# Altium PCB NMR_System_v2.PcbDoc (part 2 of 3)
Units mm, origin at the board's own origin, x right, y up, seen from the top; angles counter-clockwise.
Board outline 100 x 80 mm, 6 copper layers (Top Layer [SIG], Mid Layer 1 [GND], Mid Layer 2 [SIG], Mid Layer 3 [PWR], Mid Layer 4 [GND], Bottom Layer [SIG]), stack 1.597 mm thick; 265 components, 205 nets, 1102 pads, 724 vias.
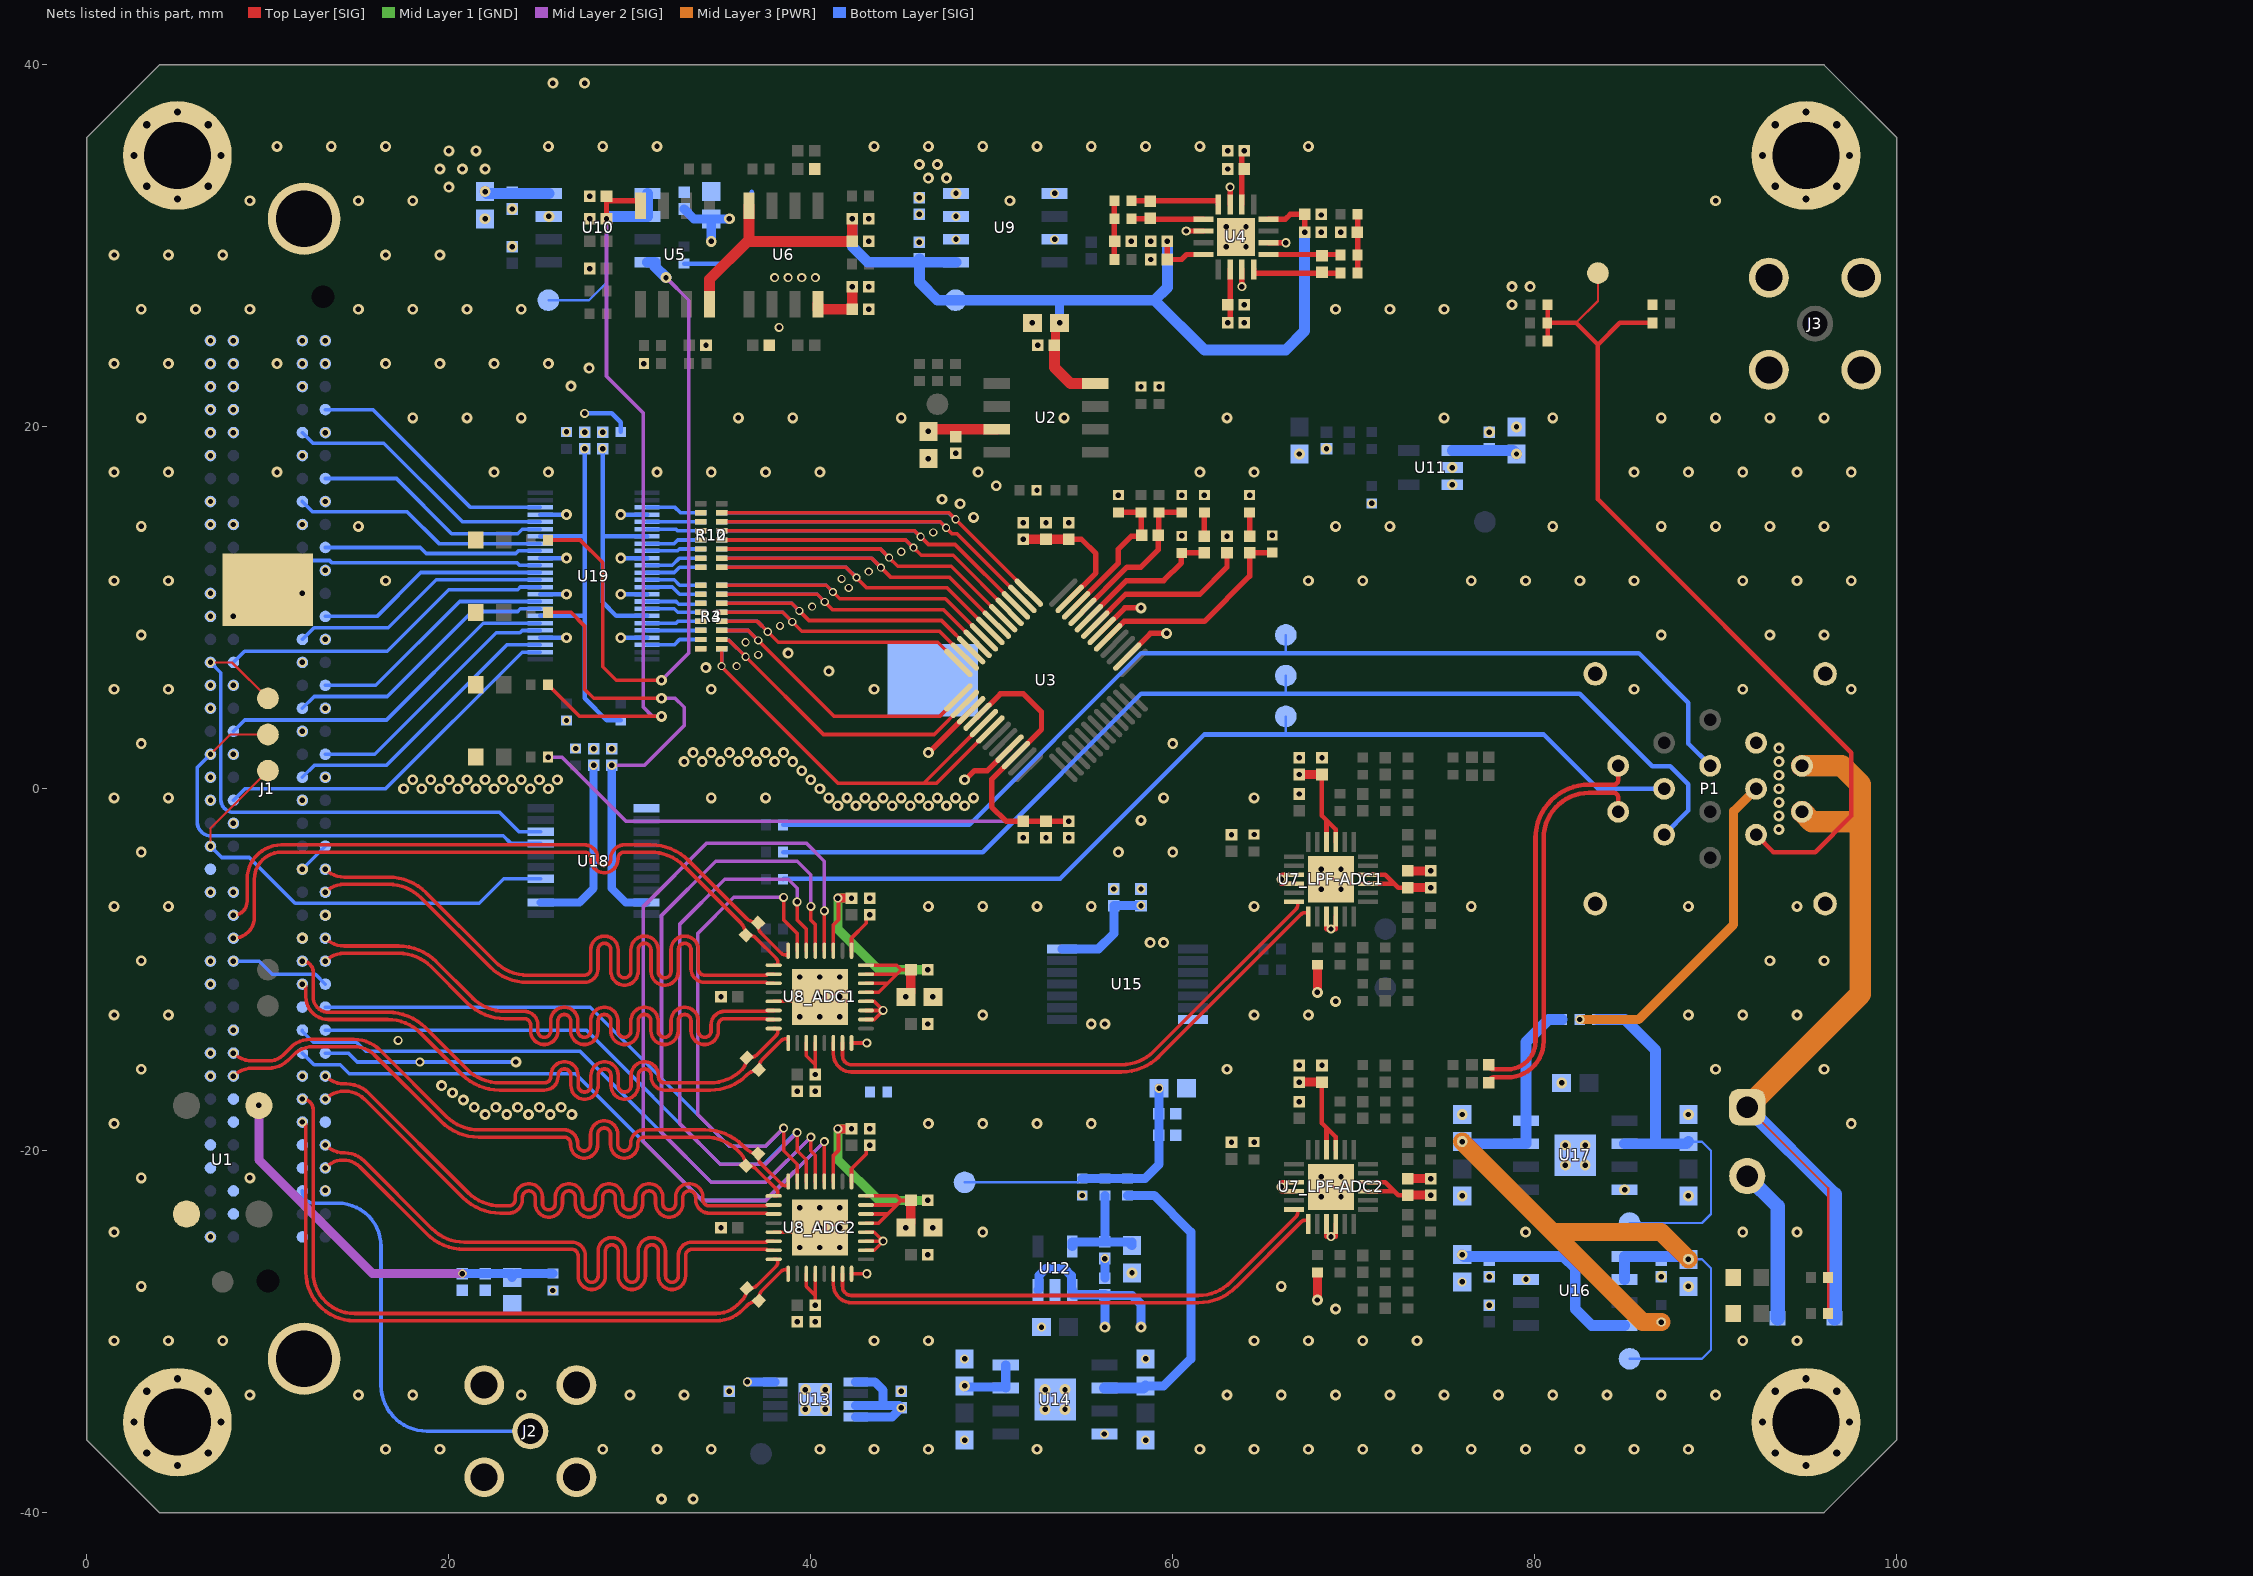
[diagram p6: the nets of this part, all layers, seen from the top]

## Via types
v1: diameter 0.6, hole 0.3, Top Layer [SIG] to Bottom Layer [SIG], tented both sides, 379 vias
v2: diameter 0.5, hole 0.3, Top Layer [SIG] to Bottom Layer [SIG], tented both sides, 244 vias
v3: diameter 0.8, hole 0.4, Top Layer [SIG] to Bottom Layer [SIG], tented both sides, 32 vias
v4: diameter 0.6, hole 0.3, Top Layer [SIG] to Bottom Layer [SIG], tented bottom, 30 vias
v5: diameter 0.45, hole 0.3, Top Layer [SIG] to Bottom Layer [SIG], tented both sides, 27 vias
v6: diameter 0.6, hole 0.3, Top Layer [SIG] to Bottom Layer [SIG], tented top, 12 vias

## Nets (pads, with @x,y where several pads share a name; then routed paths per layer and width w, separated by ;. In a path a pad name is that pad's centre, name@x,y a point inside that pad or via, vN(x,y) a via of type N, cw(c..) or ccw(c..) an arc to the next point about the centre after c; other vN are vias at no path point) (continued)
+3V3: C15.1 C16.1 C17.1 C83.1 C84.1 C85.1 C92.1 C93.1 pad.3@48.5,-21.75 R13.1 R65.1 R66.1 R67.1 R71.2 U3.16 U3.22 U15.14 | length 67.3
  Top Layer [SIG] w0.3: U3.16@49.217,3.985 50.482,5.25 51.75,5.25 52.75,4.25 52.75,3.275 U3.22@51.338,1.863 50,0.525 50,-1 50.79,-1.79 C17.1@51.75,-1.79 C16.1@53,-1.79 v2(54.25,-1.79)
  Mid Layer 2 [SIG] w0.2: v2(25.5,1.75) 26.25,1.75 29.79,-1.79 v2(54.25,-1.79)
  Bottom Layer [SIG] w0.125: pad.3@48.5,-21.75 54.75,-21.75 54.975,-21.525 R65.1@55,-21.525
  Bottom Layer [SIG] w0.5: U15.14@53.875,-8.85 55.9,-8.85 56.75,-8 C93.1@56.75,-6.46 v2(58.25,-6.46) ; R65.1@55,-21.525 R66.1@56.25,-21.525 R67.1@57.5,-21.525 58.475,-21.525 59.25,-20.75 59.25,-19.16 C83.1@59.24,-19.15 C84.1@59.24,-17.95 59.245,-17.945 59.245,-16.555 v2(59.25,-16.55)
  other v2: 52.5,16.5
+3V3_ADM: C91.1 R67.2 U14.2 | length 16.8
  Bottom Layer [SIG] w0.5: R67.2@57.5,-22.475 58.975,-22.475 61,-24.5 61,-31.5 59.5,-33 C91.1@58.5,-33
  Bottom Layer [SIG] w0.6: U14.2@56.225,-33.115 58.385,-33.115 C91.1@58.5,-33
+3V3_FMC: C105.1 C107.1 J1.C39 J1.D32 J1.D36 J1.D38 J1.D40 R1.2 R65.2 R69.2 U18.19 U19.7 U19.18 | length 40.4
  Top Layer [SIG] w0.2: R69.2@25.475,9.75 26.75,9.75 27.5,9 27.5,5.5 28,5 v1(31.75,5)
  Mid Layer 2 [SIG] w0.2: v2(29,1.29) 30.79,1.29 33,3.5 33,4.5 32.5,5 v1(31.75,5)
  Bottom Layer [SIG] w0.25: v2(28.5,18.79) 28.5,13.95 ; U19.18@30.95,9.55 29.25,9.55 28.5,10.3 28.5,13.95 ; U19.7@30.95,13.95 28.5,13.95
  Bottom Layer [SIG] w0.45: v2(29,1.29) 29,-5.5 29.775,-6.275 U18.19@30.925,-6.275
  other v2: 55,-22.475 8.095,14.605 8.095,19.685 8.095,22.225 6.825,23.495 8.095,24.765
  other v5: 25.75,-27.725
+3V3_LDL: C80.1 C81.1 R66.2 U12.5 | length 6.7
  Bottom Layer [SIG] w0.5: U12.5@54.45,-25.3 54.45,-25.04 C80.1@56.25,-25.04 ; R66.2@56.25,-22.475 C80.1@56.25,-25.04 ; C81.1@57.545,-25.045 C81.1@57.75,-25.25 ; C81.1@57.75,-25.04 57.75,-25.24 57.55,-25.04 C80.1@56.25,-25.04
+3V3FE: C103.1 pad.3@85.25,-24 R78.2 U17.2 | length 22.3
  Bottom Layer [SIG] w0.125: pad.3@85.25,-24 89.25,-24 89.75,-23.5 89.75,-20 89.25,-19.5 C103.1@88.5,-19.5
  Bottom Layer [SIG] w0.6: R78.2@83.45,-12.75 85,-12.75 86.68,-14.43 86.68,-19.615 ; U17.2@84.975,-19.615 86.68,-19.615 ; C103.1@88.5,-19.5 88.385,-19.615 86.68,-19.615
+5V: C5.1 C6.1 C12.1 C13.1 C14.1 C22.1 C23.1 C26.1 C27.1 C37.1 C38.1 C39.1 C40.1 C52_LPF-ADC1.1 C52_LPF-ADC2.1 C53_LPF-ADC1.1 C53_LPF-ADC2.1 C54_LPF-ADC1.1 C54_LPF-ADC2.1 C55_LPF-ADC1.1 C55_LPF-ADC2.1 C58_ADC1.1 C58_ADC2.1 C59_ADC1.1 C59_ADC2.1 C61_ADC1.1 C61_ADC2.1 C62_ADC1.1 C62_ADC2.1 C66.1 C71.1 C72.1 C74.1 C75.1 C79.1 C86.1 C87.1 pad.3@25.5,27 R9.1 R44_LPF-ADC1.2 R44_LPF-ADC2.2 R45_LPF-ADC1.2 R45_LPF-ADC2.2 R62.2 R70.2 U2.7 U3.47 U4.6 U4.14 U5.8 U6.8 U7_LPF-ADC1.3 U7_LPF-ADC1.4 U7_LPF-ADC1.9 U7_LPF-ADC1.10 U7_LPF-ADC2.3 U7_LPF-ADC2.4 U7_LPF-ADC2.9 U7_LPF-ADC2.10 U8_ADC1.1 U8_ADC1.19 U8_ADC1.20 U8_ADC1.29 U8_ADC1.30 U8_ADC1.31 U8_ADC1.32 U8_ADC2.1 U8_ADC2.19 U8_ADC2.20 U8_ADC2.29 U8_ADC2.30 U8_ADC2.31 U8_ADC2.32 U9.8 U10.5 U10.6 U11.1 U12.1 U12.3 U13.5 U13.7 U13.8 U14.7 U14.8 | length 160.6
  Top Layer [SIG] w0.2: R70.2@25.475,5.75 25.475,5.725 25.65,5.55 25.675,5.55 27.225,4 v1(31.75,4) ; U8_ADC2.19@39.75,-26.8 39.75,-27.5 40.25,-28 ; U8_ADC1.19@39.75,-14.05 39.75,-14.75 40.25,-15.25 ; v2(40.25,-28.54) 40.25,-28 ; U8_ADC2.20@40.25,-26.8 40.25,-28 ; v2(40.25,-15.79) 40.25,-15.25 ; U8_ADC1.20@40.25,-14.05 40.25,-15.25 ; U8_ADC2.1@42.25,-21.7 42.25,-21 43.063,-20.187 43.063,-19.897 v2(43.25,-19.71) ; U8_ADC1.1@42.25,-8.95 42.25,-8.25 43.063,-7.437 43.063,-7.147 v2(43.25,-6.96) ; U8_ADC2.29@43.05,-24 43.75,-24 44.25,-23.5 ; U8_ADC2.30@43.05,-23.5 44.25,-23.5 ; U8_ADC2.31@43.05,-23 44.75,-23 ; U8_ADC2.32@43.05,-22.5 44.75,-22.5 45,-22.75 ; U8_ADC1.29@43.05,-11.25 43.75,-11.25 44.25,-10.75 ; U8_ADC1.30@43.05,-10.75 44.25,-10.75 ; U8_ADC1.31@43.05,-10.25 44.75,-10.25 ; U8_ADC1.32@43.05,-9.75 44.75,-9.75 45,-10 ; C58_ADC2.1@45.54,-22.75 45,-22.75 ; C58_ADC1.1@45.54,-10 45,-10 ; 44.25,-23.5 44.75,-23 ; 44.25,-10.75 44.75,-10.25 ; 44.75,-23 45,-22.75 ; 44.75,-10.25 45,-10
  Top Layer [SIG] w0.25: C52_LPF-ADC2.1@68.25,-16.21 68.25,-18.481 68.5,-18.731 ; C52_LPF-ADC1.1@68.25,0.79 68.25,-1.481 68.5,-1.731 ; U7_LPF-ADC2.10@68.5,-19.95 68.5,-18.731 ; U7_LPF-ADC1.10@68.5,-2.95 68.5,-1.731 ; U7_LPF-ADC2.9@69,-19.95 69,-19.231 68.5,-18.731 ; U7_LPF-ADC1.9@69,-2.95 69,-2.231 68.5,-1.731 ; U7_LPF-ADC2.3@70.8,-22.25 72.25,-22.25 ; U7_LPF-ADC2.4@70.8,-21.75 71.75,-21.75 72.25,-22.25 ; U7_LPF-ADC1.3@70.8,-5.25 72.25,-5.25 ; U7_LPF-ADC1.4@70.8,-4.75 71.75,-4.75 72.25,-5.25 ; C54_LPF-ADC2.1@73,-22.46 72.46,-22.46 72.25,-22.25 ; C54_LPF-ADC1.1@73,-5.46 72.46,-5.46 72.25,-5.25
  Top Layer [SIG] w0.3: v1(28.71,31.5) C38.1@28.71,32.5 ; C38.1@28.71,32.75 C38.1@28.71,32.5 ; U5.8@30.595,32.225 30.595,32.35 30.445,32.5 C38.1@28.71,32.5 ; C14.1@54.25,13.79 54.96,13.79 55.75,13 55.75,11.932 U3.47@54.308,10.49 ; v2(63.04,25.75) 63.175,25.885 U4.6@63.175,28.7 ; U4.14@63.825,32.3 63.825,35.115 v2(63.96,35.25)
  Top Layer [SIG] w0.5: v2(45.25,-24.25) 45.275,-24.25 45.525,-24 45.525,-22.765 C58_ADC2.1@45.54,-22.75 ; v2(45.25,-11.5) 45.275,-11.5 45.525,-11.25 45.525,-10.015 C58_ADC1.1@45.54,-10 ; v2(51.75,13.79) C13.1@53,13.79 C14.1@54.25,13.79 ; v2(67,-16.21) C52_LPF-ADC2.1@68.25,-16.21 ; v2(67,0.79) C52_LPF-ADC1.1@68.25,0.79 ; v1(68,-28.25) R45_LPF-ADC2.2@68,-26.725 ; v1(68,-11.25) R45_LPF-ADC1.2@68,-9.725 ; C54_LPF-ADC2.1@73,-22.46 v2(74.25,-22.46) ; C54_LPF-ADC1.1@73,-5.46 v2(74.25,-5.46)
  Top Layer [SIG] w0.6: U6.8@40.405,26.775 40.405,26.5 C40.1@42.29,26.5 v1(42.29,27.75) ; v2(46.5,19.75) 46.615,19.865 U2.7@50.275,19.865
  Mid Layer 2 [SIG] w0.2: v1(28.71,31.5) 28.71,22.79 30.75,20.75 30.75,4.5 31.25,4 v1(31.75,4)
  Bottom Layer [SIG] w0.125: pad.3@25.5,27 27.75,27 28.71,27.96 v1(28.71,31.5)
  Bottom Layer [SIG] w0.25: R62.2@33,29.025 35.275,29.025 36.75,30.5 36.75,32.905 36.75,33
  Bottom Layer [SIG] w0.5: U13.8@42.475,-34.725 44.485,-34.725 v2(45,-34.21) 44.865,-34.075 44,-34.075 ; U13.7@42.475,-34.075 44,-34.075 ; U13.5@42.475,-32.775 43.525,-32.775 44,-33.25 44,-34.075 ; v1(48.5,-33) 48.565,-33.065 50.725,-33.065 U14.7@50.775,-33.115 U14.8@50.775,-31.845 ; U12.3@52.55,-27.7 52.6,-27.65 52.6,-26.9 53,-26.5 54,-26.5 54.4,-26.9 54.4,-27.65 U12.1@54.45,-27.7 54.45,-27.91 54.5,-27.96 C79.1@56.25,-27.96 ; v1(56.25,-29.75) C79.1@56.25,-27.96 ; v1(58.25,-29.75) 58.25,-28.5 57.75,-28 56.29,-28 C79.1@56.25,-27.96
  Bottom Layer [SIG] w0.6: v1(28.71,31.5) 28.845,31.635 U10.6@30.975,31.635 U10.5@30.975,32.905 ; U11.1@75.45,18.7 78.8,18.7 v1(79,18.5)
  other v1: 46,32.67 48.025,32.905 46.5,33.75 47.5,33.75 46,34.5 47,34.5
  other v2: 64.5,-19.525 64.5,-2.525 59.25,22.225
+5VFE: C96.1 C97.1 C99.1 pad.3@85.25,-31.5 R76.2 R77.2 U16.5 U16.6 U17.7 U17.8 | length 50.5
  Mid Layer 3 [PWR] w1: v1(76,-19.5) 80.988,-24.488 ; v2(87,-29.475) 85.975,-29.475 80.988,-24.488 ; v1(88.5,-26) 86.988,-24.488 80.988,-24.488
  Bottom Layer [SIG] w0.125: pad.3@85.25,-31.5 89.25,-31.5 89.75,-31 89.75,-26.5 89.25,-26 v1(88.5,-26)
  Bottom Layer [SIG] w0.6: v1(76,-19.5) 76.115,-19.615 U17.7@79.525,-19.615 U17.8@79.525,-18.345 79.525,-14 80.775,-12.75 R77.2@81.525,-12.75 ; U16.6@84.975,-27.115 U16.5@84.975,-25.845 88.345,-25.845 v1(88.5,-26)
+5VFE/+3V3FE: P1.13 R77.1 R78.1 | length 18.7
  Mid Layer 3 [PWR] w0.5: v2(82.5,-12.75) 85.75,-12.75 91,-7.5 91,-1.24 P1.13@92.24,0
  Bottom Layer [SIG] w0.102: R77.1@82.475,-12.75 v2(82.5,-12.75)
+12V_FMC: C69.1 C70.1 C94.1 C95.1 J1.C35 J1.C37 R68.2 U10.4 U10.8 U16.4 U16.8 | length 53.2
  Top Layer [SIG] w0.2: R68.2@25.475,13.75 27.25,13.75 28.5,12.5 28.5,6.75 29.25,6 v1(31.75,6)
  Mid Layer 2 [SIG] w0.2: v1(31.75,6) 33.25,7.5 33.25,27 v1(32,28.25)
  Bottom Layer [SIG] w0.6: v1(22,33) 22.095,32.905 U10.4@25.525,32.905 ; U10.8@30.975,29.095 31.4,29.095 31.4,28.85 v1(32,28.25) ; v1(76,-25.75) 76.095,-25.845 U16.4@79.525,-25.845 81.595,-25.845 82.25,-26.5 82.25,-28.75 83.155,-29.655 U16.8@84.975,-29.655
  other v1: 20,33.25 19.5,34.25 20.75,34.25 22,34.25 20,35.25 21.5,35.25
  other v2: 6.825,18.415 6.825,20.955
+50V: D1.2 J4.2 P1.5 P1.6 R72.2 R73.2 | length 54.4
  Top Layer [SIG] w0.125: J4.2@91.75,-17.595 96.225,-22.07 R73.2@96.225,-27 R72.2@96.225,-29
  Mid Layer 3 [PWR] w1.2: J4.2@91.75,-17.595 98,-11.345 98,-1.819 ; P1.5@94.78,-1.27 95.329,-1.819 98,-1.819 ; P1.6@94.78,1.27 96.98,1.27 98,0.25 98,-1.819
  Bottom Layer [SIG] w0.8: J4.2@91.75,-17.595 96.575,-22.42 D1.2@96.575,-29.25
-5V: C7.1 C8.1 C24.1 C25.1 C28.1 C29.1 C41.1 C42.1 C68.1 pad.3@48,27 U2.4 U4.4 U4.12 U5.4 U6.4 U9.5 | length 67.3
  Top Layer [SIG] w0.3: v2(59.71,30.25) C25.1@59.71,29.25 60.5,29.25 60.775,29.525 U4.4@61.7,29.525 ; U4.12@65.3,31.475 66.225,31.475 66.5,31.75 C29.1@67.29,31.75 v2(67.29,30.75)
  Top Layer [SIG] w0.5: C7.1@53.46,24.5 53.53,24.57 53.53,25.53 v2(53.75,25.75)
  Top Layer [SIG] w0.6: U5.4@34.405,26.775 34.405,28.155 36.5,30.25 ; U6.4@36.595,32.225 36.595,30.345 36.5,30.25 ; v1(42.29,31.5) C42.1@42.29,30.25 36.5,30.25 ; C7.1@53.46,24.5 53.46,23.29 54.345,22.405 U2.4@55.725,22.405
  Bottom Layer [SIG] w0.5: v2(53.75,25.75) 53.75,27
  Bottom Layer [SIG] w0.6: v1(42.29,31.5) 42.29,29.96 43.155,29.095 C68.1@46,29.095 ; C68.1@46,29.29 C68.1@46,29.095 ; U9.5@48.025,29.095 C68.1@46,29.095 ; v2(59.71,30.25) 59.71,27.71 59,27 ; v2(67.29,30.75) 67.29,25.29 66.25,24.25 61.75,24.25 59,27 ; C68.1@46,29.095 46,28 47,27 pad.3@48,27 53.75,27 59,27
ADC1_CLK_N: J1.G13 R59_ADC1.2 U8_ADC1.16 | length 37.7
  Top Layer [SIG] w0.2: v2(11.905,-9.525) cw(c11.905,-10.12) 12.5,-10.12 12.5,-11.5 ccw(c13.35,-11.5) 13.35,-12.35 16.632,-12.35 cw(c16.632,-15.29) 18.711,-13.211 21.006,-15.506 ccw(c22.802,-13.71) 22.802,-16.25 24.981,-16.25 25.281,-16.25 ccw(c25.281,-15.896) 25.635,-15.896 25.635,-15.839 cw(c26.389,-15.839) 27.143,-15.839 27.143,-16.404 ccw(c27.497,-16.404) 27.851,-16.404 27.851,-15.839 cw(c28.605,-15.839) 29.359,-15.839 29.359,-16.404 ccw(c29.713,-16.404) 30.067,-16.404 30.067,-15.839 cw(c30.821,-15.839) 31.575,-15.839 31.575,-15.896 ccw(c31.929,-15.896) 31.929,-16.25 33,-16.25 34.446,-16.25 ccw(c34.446,-13.785) 36.189,-15.528 ccw(c35.568,-14.907) 36.446,-14.907 cw(c36.507,-14.907) R59_ADC1.2@36.464,-14.864 cw(c36.507,-14.907) 36.507,-14.846 36.676,-14.846 ccw(c36.676,-14.377) 37.008,-14.709 38.084,-13.633 ccw(c37.843,-13.391) 38.184,-13.391 ccw(c38.043,-13.391) 38.043,-13.25 U8_ADC1.16@37.95,-13.25
ADC1_CLK_P: J1.G12 R59_ADC1.1 U8_ADC1.17 | length 37.1
  Top Layer [SIG] w0.2: v2(11.905,-10.795) cw(c11.905,-10.99) 12.1,-10.99 12.1,-11.5 ccw(c13.35,-11.5) 13.35,-12.75 16.632,-12.75 cw(c16.632,-15.29) 18.428,-13.494 20.723,-15.789 ccw(c22.802,-13.71) 22.802,-16.65 24.981,-16.65 25.281,-16.65 ccw(c25.281,-15.896) 26.035,-15.896 26.035,-15.839 cw(c26.389,-15.839) 26.743,-15.839 26.743,-16.404 ccw(c27.497,-16.404) 28.251,-16.404 28.251,-15.839 cw(c28.605,-15.839) 28.959,-15.839 28.959,-16.404 ccw(c29.713,-16.404) 30.467,-16.404 30.467,-15.839 cw(c30.821,-15.839) 31.175,-15.839 31.175,-15.896 ccw(c31.929,-15.896) 31.929,-16.65 33,-16.65 34.446,-16.65 ccw(c34.446,-13.785) 36.472,-15.811 cw(c37.093,-16.432) 37.093,-15.554 ccw(c37.093,-15.493) R59_ADC1.1@37.136,-15.536 ccw(c37.093,-15.493) 37.154,-15.493 37.154,-15.324 cw(c37.623,-15.324) 37.291,-14.992 38.367,-13.916 cw(c38.609,-14.157) 38.609,-13.816 cw(c38.609,-13.957) 38.75,-13.957 U8_ADC1.17@38.75,-14.05
ADC2_CLK_N: J1.G7 R59_ADC2.2 U8_ADC2.16 | length 38.6
  Top Layer [SIG] w0.2: v2(11.905,-17.145) cw(c11.905,-17.74) 12.5,-17.74 12.5,-26.71 ccw(c14.79,-26.71) 14.79,-29 34.772,-29 ccw(c34.772,-27.321) 35.959,-28.508 36.189,-28.278 ccw(c35.568,-27.657) 36.446,-27.657 cw(c36.507,-27.657) R59_ADC2.2@36.464,-27.614 cw(c36.507,-27.657) 36.507,-27.596 36.676,-27.596 ccw(c36.676,-27.127) 37.008,-27.459 38.084,-26.383 ccw(c37.843,-26.141) 38.184,-26.141 ccw(c38.043,-26.141) 38.043,-26 U8_ADC2.16@37.95,-26
ADC2_CLK_P: J1.G6 R59_ADC2.1 U8_ADC2.17 | length 38
  Top Layer [SIG] w0.2: v2(11.905,-18.415) cw(c11.905,-18.61) 12.1,-18.61 12.1,-26.71 ccw(c14.79,-26.71) 14.79,-29.4 34.772,-29.4 ccw(c34.772,-27.321) 36.242,-28.791 36.472,-28.561 cw(c37.093,-29.182) 37.093,-28.304 ccw(c37.093,-28.243) R59_ADC2.1@37.136,-28.286 ccw(c37.093,-28.243) 37.154,-28.243 37.154,-28.074 cw(c37.623,-28.074) 37.291,-27.742 38.367,-26.666 cw(c38.609,-26.907) 38.609,-26.566 cw(c38.609,-26.707) 38.75,-26.707 U8_ADC2.17@38.75,-26.8
ADC_IN_ADC1_N: U7_LPF-ADC1.19 U8_ADC1.22 | length 31.1
  Top Layer [SIG] w0.2: U8_ADC1.22@41.25,-14.05 41.25,-14.65 ccw(c42.25,-14.65) 42.25,-15.65 57.165,-15.65 ccw(c57.165,-12.71) 59.244,-14.789 67.092,-6.941 cw(c67.334,-7.182) 67.334,-6.841 67.457,-6.841 cw(c67.457,-6.883) 67.487,-6.853 cw(c67.457,-6.883) 67.5,-6.883 U7_LPF-ADC1.19@67.5,-7.05
ADC_IN_ADC1_P: U7_LPF-ADC1.18 U8_ADC1.23 | length 30.1
  Top Layer [SIG] w0.2: U8_ADC1.23@41.75,-14.05 41.75,-14.75 ccw(c42.25,-14.75) 42.25,-15.25 57.165,-15.25 ccw(c57.165,-12.71) 58.961,-14.506 66.809,-6.658 ; U7_LPF-ADC1.18@66.7,-6.25 66.867,-6.25 cw(c66.867,-6.293) 66.897,-6.263 cw(c66.867,-6.293) 66.909,-6.293 66.909,-6.416 cw(c66.568,-6.416) 66.809,-6.658
ADC_IN_ADC2_N: U7_LPF-ADC2.19 U8_ADC2.22 | length 29.4
  Top Layer [SIG] w0.2: U8_ADC2.22@41.25,-26.8 41.25,-27.4 ccw(c42.25,-27.4) 42.25,-28.4 61.415,-28.4 ccw(c61.415,-25.46) 63.494,-27.539 67.092,-23.941 cw(c67.334,-24.182) 67.334,-23.841 67.457,-23.841 cw(c67.457,-23.883) 67.488,-23.853 cw(c67.457,-23.883) 67.5,-23.883 U7_LPF-ADC2.19@67.5,-24.05
ADC_IN_ADC2_P: U7_LPF-ADC2.18 U8_ADC2.23 | length 28.4
  Top Layer [SIG] w0.2: U8_ADC2.23@41.75,-26.8 41.75,-27.5 ccw(c42.25,-27.5) 42.25,-28 61.415,-28 ccw(c61.415,-25.46) 63.211,-27.256 66.809,-23.658 ccw(c66.568,-23.416) 66.909,-23.416 66.909,-23.293 ccw(c66.867,-23.293) 66.897,-23.262 ccw(c66.867,-23.293) 66.867,-23.25 U7_LPF-ADC2.18@66.7,-23.25
AGND: C5.2 C6.2 C7.2 C8.2 C11.2 C12.2 C13.2 C14.2 C20.2 C21.2 C22.2 C23.2 C24.2 C25.2 C26.2 C27.2 C28.2 C29.2 C33.2 C34.2 C35.2 C36.2 C37.2 C38.2 C39.2 C40.2 C41.2 C42.2 C52_LPF-ADC1.2 C52_LPF-ADC2.2 C53_LPF-ADC1.2 C53_LPF-ADC2.2 C54_LPF-ADC1.2 C54_LPF-ADC2.2 C55_LPF-ADC1.2 C55_LPF-ADC2.2 C56_LPF-ADC1.2 C56_LPF-ADC2.2 C57_LPF-ADC1.2 C57_LPF-ADC2.2 C58_ADC1.2 C58_ADC2.2 C59_ADC1.2 C59_ADC2.2 C63_ADC1.2 C63_ADC2.2 C65_ADC1.2 C65_ADC2.2 C66.2 C68.2 C71.2 C72.2 C74.2 C75.2 C77.2 C78.2 C79.2 C80.2 C81.2 C82.2 C83.2 C84.2 C85.2 C86.2 C87.2 C88.2 C89.2 C90.2 C91.2 C94.2 C95.2 C96.2 C97.2 C98.2 C99.2 C100.2 C101.2 C102.2 C103.2 D1.1 J3.2 J4.1 LED5.1 LED6.2 P1.7 P1.15 P1.16 P1.17 P1.18 pad.0@95,35 pad.0@95,-35 R7.1 R8.1 R11.1 R14.1 R15.1 R16.1 R17.1 R38.1 R41.1 R61.2 R64.1 U3.38 U3.42 U4.2 U4.7 U4.10 U4.15 U4.17 U7_LPF-ADC1.15 U7_LPF-ADC1.16 U7_LPF-ADC1.21 U7_LPF-ADC1.22 U7_LPF-ADC1.25 U7_LPF-ADC2.15 U7_LPF-ADC2.16 U7_LPF-ADC2.21 U7_LPF-ADC2.22 U7_LPF-ADC2.25 U8_ADC1.3 U8_ADC1.26 U8_ADC1.27 U8_ADC1.28 U8_ADC2.3 U8_ADC2.26 U8_ADC2.27 U8_ADC2.28 U9.1 U9.3 U9.6 U9.7 U11.2 U11.3 U12.2 U13.4 U13.9 U14.0 U14.4 U16.3 U17.0 U17.4 | length 65.3
  Top Layer [SIG] w0.2: U8_ADC2.3@41.25,-21.7 41.25,-20.267 41.532,-19.985 41.532,-18.79 41.532,-18.782 v2@41.5,-18.75 ; U8_ADC1.3@41.25,-8.95 41.25,-7.517 41.532,-7.235 41.532,-6.04 41.532,-6.032 v2@41.5,-6 ; U8_ADC2.26@43.05,-25.5 43.5,-25.5 v2(44,-25) ; U8_ADC2.27@43.05,-25 v2(44,-25) ; U8_ADC2.28@43.05,-24.5 43.5,-24.5 v2(44,-25) ; U8_ADC1.26@43.05,-12.75 43.5,-12.75 v2(44,-12.25) ; U8_ADC1.27@43.05,-12.25 v2(44,-12.25) ; U8_ADC1.28@43.05,-11.75 43.5,-11.75 v2(44,-12.25)
  Top Layer [SIG] w0.25: U7_LPF-ADC2.16@66.7,-22.25 66,-22.25 v2(66,-22) 66,-21.75 U7_LPF-ADC2.15@66.7,-21.75 ; U7_LPF-ADC1.16@66.7,-5.25 66,-5.25 v2(66,-5) 66,-4.75 U7_LPF-ADC1.15@66.7,-4.75 ; U7_LPF-ADC2.21@68.5,-24.05 68.5,-24.75 v2(68.75,-24.75) 69,-24.75 U7_LPF-ADC2.22@69,-24.05 ; U7_LPF-ADC1.21@68.5,-7.05 68.5,-7.75 v2(68.75,-7.75) 69,-7.75 U7_LPF-ADC1.22@69,-7.05
  Top Layer [SIG] w0.3: U3.42@56.076,8.722 57.354,10 v1(58.25,10) ; U3.38@57.49,7.308 58.768,8.586 v1(59.664,8.586) ; v2(60.75,30.825) U4.2@61.7,30.825 ; U4.15@63.175,32.3 v2(63.175,33.25) ; v2(63.825,27.75) U4.7@63.825,28.7 ; U4.10@65.3,30.175 v2(66.25,30.175)
  Top Layer [SIG] w0.5: v2(41.5,-18.79) 41.532,-18.79 v2(42.25,-18.79) ; v2(41.5,-6.04) 41.532,-6.04 v2(42.25,-6.04) ; C54_LPF-ADC2.2@73,-21.54 v2(74.25,-21.54) ; C54_LPF-ADC1.2@73,-4.54 v2(74.25,-4.54)
  Mid Layer 1 [GND] w0.5: v2(42.25,-18.79) v2(41.5,-18.79) 41.5,-20.5 43.75,-22.75 v2(46.46,-22.75) ; v2(42.25,-6.04) v2(41.5,-6.04) 41.5,-7.75 43.75,-10 v2(46.46,-10)
  Bottom Layer [SIG] w0.5: C71.2@33,32.04 33.54,31.5 C72.2@34.5,31.5 ; v1(34.5,30.25) C72.2@34.5,31.5 ; v1(35.5,31.5) C72.2@34.5,31.5 ; v2(36.5,-32.775) U13.4@38.025,-32.775 ; C79.2@56.25,-27.04 v2(56.25,-25.96)
  Bottom Layer [SIG] w0.8: J4.1@91.75,-21.405 93.425,-23.08 D1.1@93.425,-29.25
  other v1: 33.5,-39.25 34.5,-36.5 40.5,-36.5 43.5,-36.5 46.5,-36.5 52.5,-36.5 61.5,-36.5 64.5,-36.5 67.5,-36.5 70.5,-36.5 73.5,-36.5 76.5,-36.5 79.5,-36.5 82.5,-36.5 85.5,-36.5 88.5,-36.5 33,-33.5 63,-33.5 66,-33.5 69,-33.5 72,-33.5 75,-33.5 78,-33.5 81,-33.5 84,-33.5 87,-33.5 90,-33.5 43.5,-30.5 46.5,-30.5 64.5,-30.5 67.5,-30.5 70.5,-30.5 73.5,-30.5 91.5,-30.5 94.5,-30.5 69,-28.75 66,-27.5 88.5,-27.5 87,-26.96 57.75,-26.75 49.5,-24.5 79.5,-24.5 91.5,-24.5 94.5,-24.5 76,-22.5 88.5,-22.5 84.975,-22.155 46.5,-18.5 49.5,-18.5 52.5,-18.5 55.5,-18.5 97.5,-18.5 76,-18 88.5,-18 81.5,-16.25 63,-15.5 90,-15.5 96,-15.5 49.5,-12.5 64.5,-12.5 67.5,-12.5 88.5,-12.5 91.5,-12.5 94.5,-12.5 69,-11.75 93,-9.5 96,-9.5 64.5,-6.5 76.5,-6.5 88.5,-6.5 94.5,-6.5 60,-3.5 93.5,-2.25 93.5,-1.5 93.5,-0.75 59.5,-0.5 64.5,-0.5 93.5,0 93.5,0.75 93.5,1.5 93.5,2.25 60,2.5 85.5,5.5 91.5,5.5 97.5,5.5 87,8.5 93,8.5 96,8.5 67.5,11.5 70.5,11.5 76.5,11.5 79.5,11.5 82.5,11.5 85.5,11.5 91.5,11.5 94.5,11.5 97.5,11.5 69,14.5 72,14.5 81,14.5 87,14.5 90,14.5 93,14.5 96,14.5 50.25,16.75 75.45,16.8 49.25,17.5 61.5,17.5 64.5,17.5 85.5,17.5 88.5,17.5 91.5,17.5 94.5,17.5 97.5,17.5 75.45,17.75 67,18.5 68.5,18.79 77.5,19.71 79,20 45,20.5 54,20.5 63,20.5 75,20.5 81,20.5 87,20.5 90,20.5 93,20.5 96,20.5 27.75,23.25 34.21,24.5 43.21,26.5 69,26.5 72,26.5 75,26.5 78.75,26.75 43.21,27.75 78.75,27.75 79.75,27.75 27.79,28.75 43.21,30.25 27.79,31.5 43.21,31.5 51,32.5 90,32.5 27.79,32.75 28.5,35.5 31.5,35.5 43.5,35.5 46.5,35.5 49.5,35.5 52.5,35.5 55.5,35.5 58.5,35.5 61.5,35.5 67.5,35.5 27.5,39
  other v2: 48.5,-36 58.5,-36 56.225,-35.655 35.5,-33.29 45,-33.29 48.5,-31.5 58.5,-31.5 52.75,-29.75 77.5,-28.54 76,-27.25 79.525,-27.115 77.5,-26.96 46.46,-25.75 46.75,-24.25 63.25,-19.54 67,-17.29 67,-15.29 68.25,-15.29 46.46,-13 46.75,-11.5 63.25,-2.54 67,-0.29 67,1.71 68.25,1.71 63,13.96 60.5,13.975 65.5,14 51.75,14.71 53,14.71 54.25,14.71 71,15.775 57,16.225 60.5,16.225 61.75,16.225 64.25,16.225 46.5,18.25 48,18.54 58.25,22.225 30.775,23.5 52.54,24.5 38.25,25.5 52.25,25.75 63.96,25.75 63.96,26.75 38,28.25 38.75,28.25 39.5,28.25 40.25,28.25 58.79,29.25 46,30.21 57.71,30.25 58.79,30.25 48.025,30.365 53.475,30.365 68.21,30.75 69.29,30.75 48.025,31.635 68.21,31.71 46,31.75 53.475,32.905 63.04,34.25 63.04,35.25
  other v3: 95,-37.4 93.3,-36.7 96.7,-36.7 92.6,-35 97.4,-35 93.3,-33.3 96.7,-33.3 95,-32.6 95,32.6 93.3,33.3 96.7,33.3 92.6,35 97.4,35 93.3,36.7 96.7,36.7 95,37.4
  other v4: 68.2,-22.55 69.3,-22.55 68.2,-21.45 69.3,-21.45 68.2,-5.55 69.3,-5.55 68.2,-4.45 69.3,-4.45 62.95,29.95 64.05,29.95 62.95,31.05 64.05,31.05
  other v6: 39.7,-34.3 40.8,-34.3 52.95,-34.3 54.05,-34.3 39.7,-33.2 40.8,-33.2 52.95,-33.2 54.05,-33.2 81.7,-20.8 82.8,-20.8 81.7,-19.7 82.8,-19.7
C\E\2_3V3: P1.2 pad.3@66.25,6.25 R84.2 | length 60.1
  Bottom Layer [SIG] w0.125: 66.25,5.25 pad.3@66.25,6.25
  Bottom Layer [SIG] w0.25: R84.2@38.475,-3.5 49.5,-3.5 58.25,5.25 66.25,5.25 82.5,5.25 86.5,1.25 87.5,1.25 88.5,0.25 88.5,-1.2 P1.2@87.16,-2.54
C\E\2_FMC: J1.C22 pad.3@10,3 U18.7 | length 27.3
  Top Layer [SIG] w0.125: v2(6.825,1.905) 7.92,3 pad.3@10,3
  Bottom Layer [SIG] w0.2: v2(6.825,1.905) 6.1,1.18 6.1,-1.85 ccw(c6.85,-1.85) 6.85,-2.6 23,-2.6 23.4,-3 25.05,-3 U18.7@25.075,-3.025
CLK_ASIC_SPI_3V3: P1.14 pad.3@66.25,8.5 R85.2 | length 60.1
  Bottom Layer [SIG] w0.125: 66.25,7.5 pad.3@66.25,8.5